# KiCad board bees.kicad_pcb
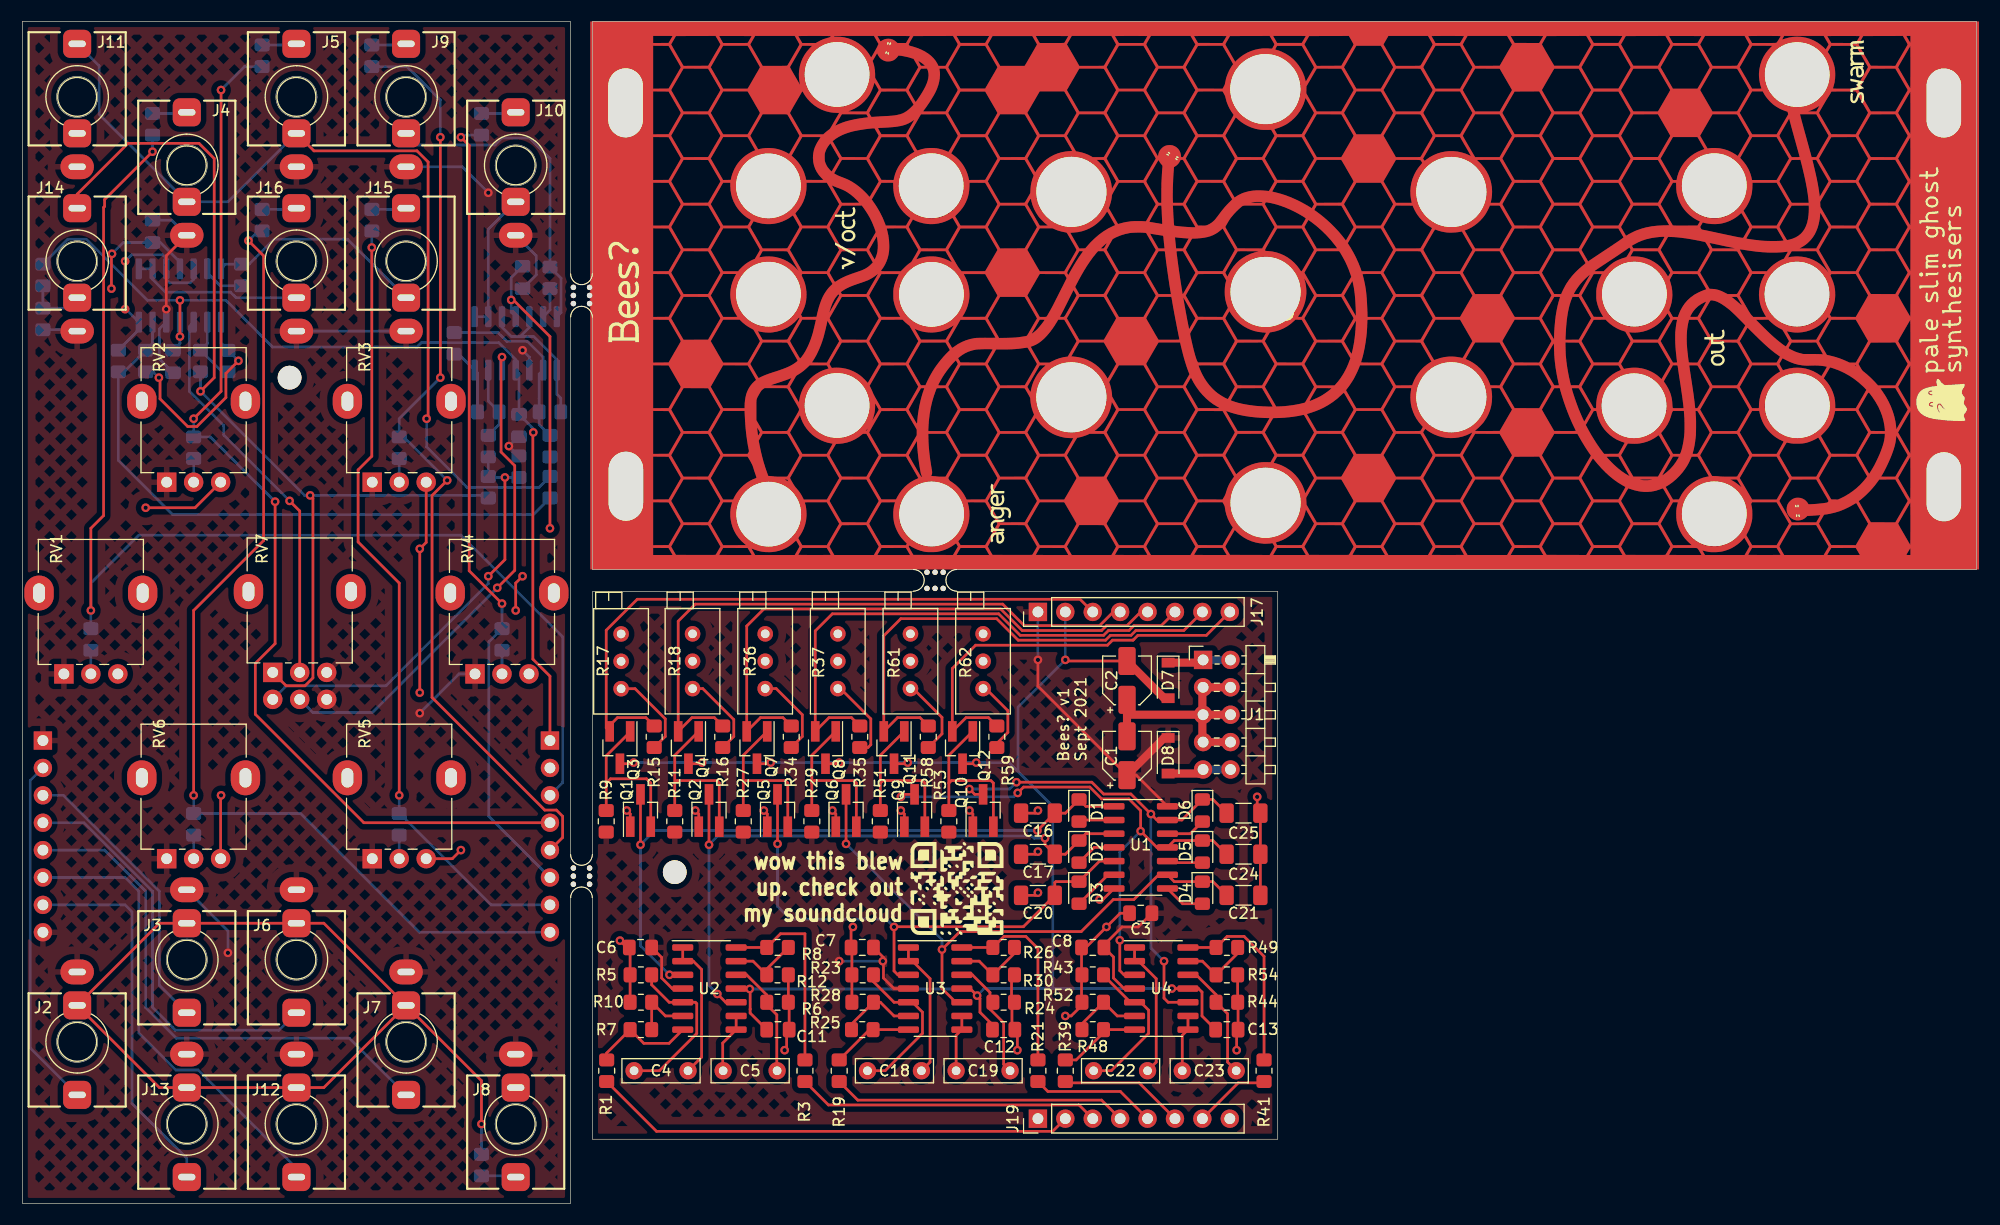
[diagram p0: board, top side]
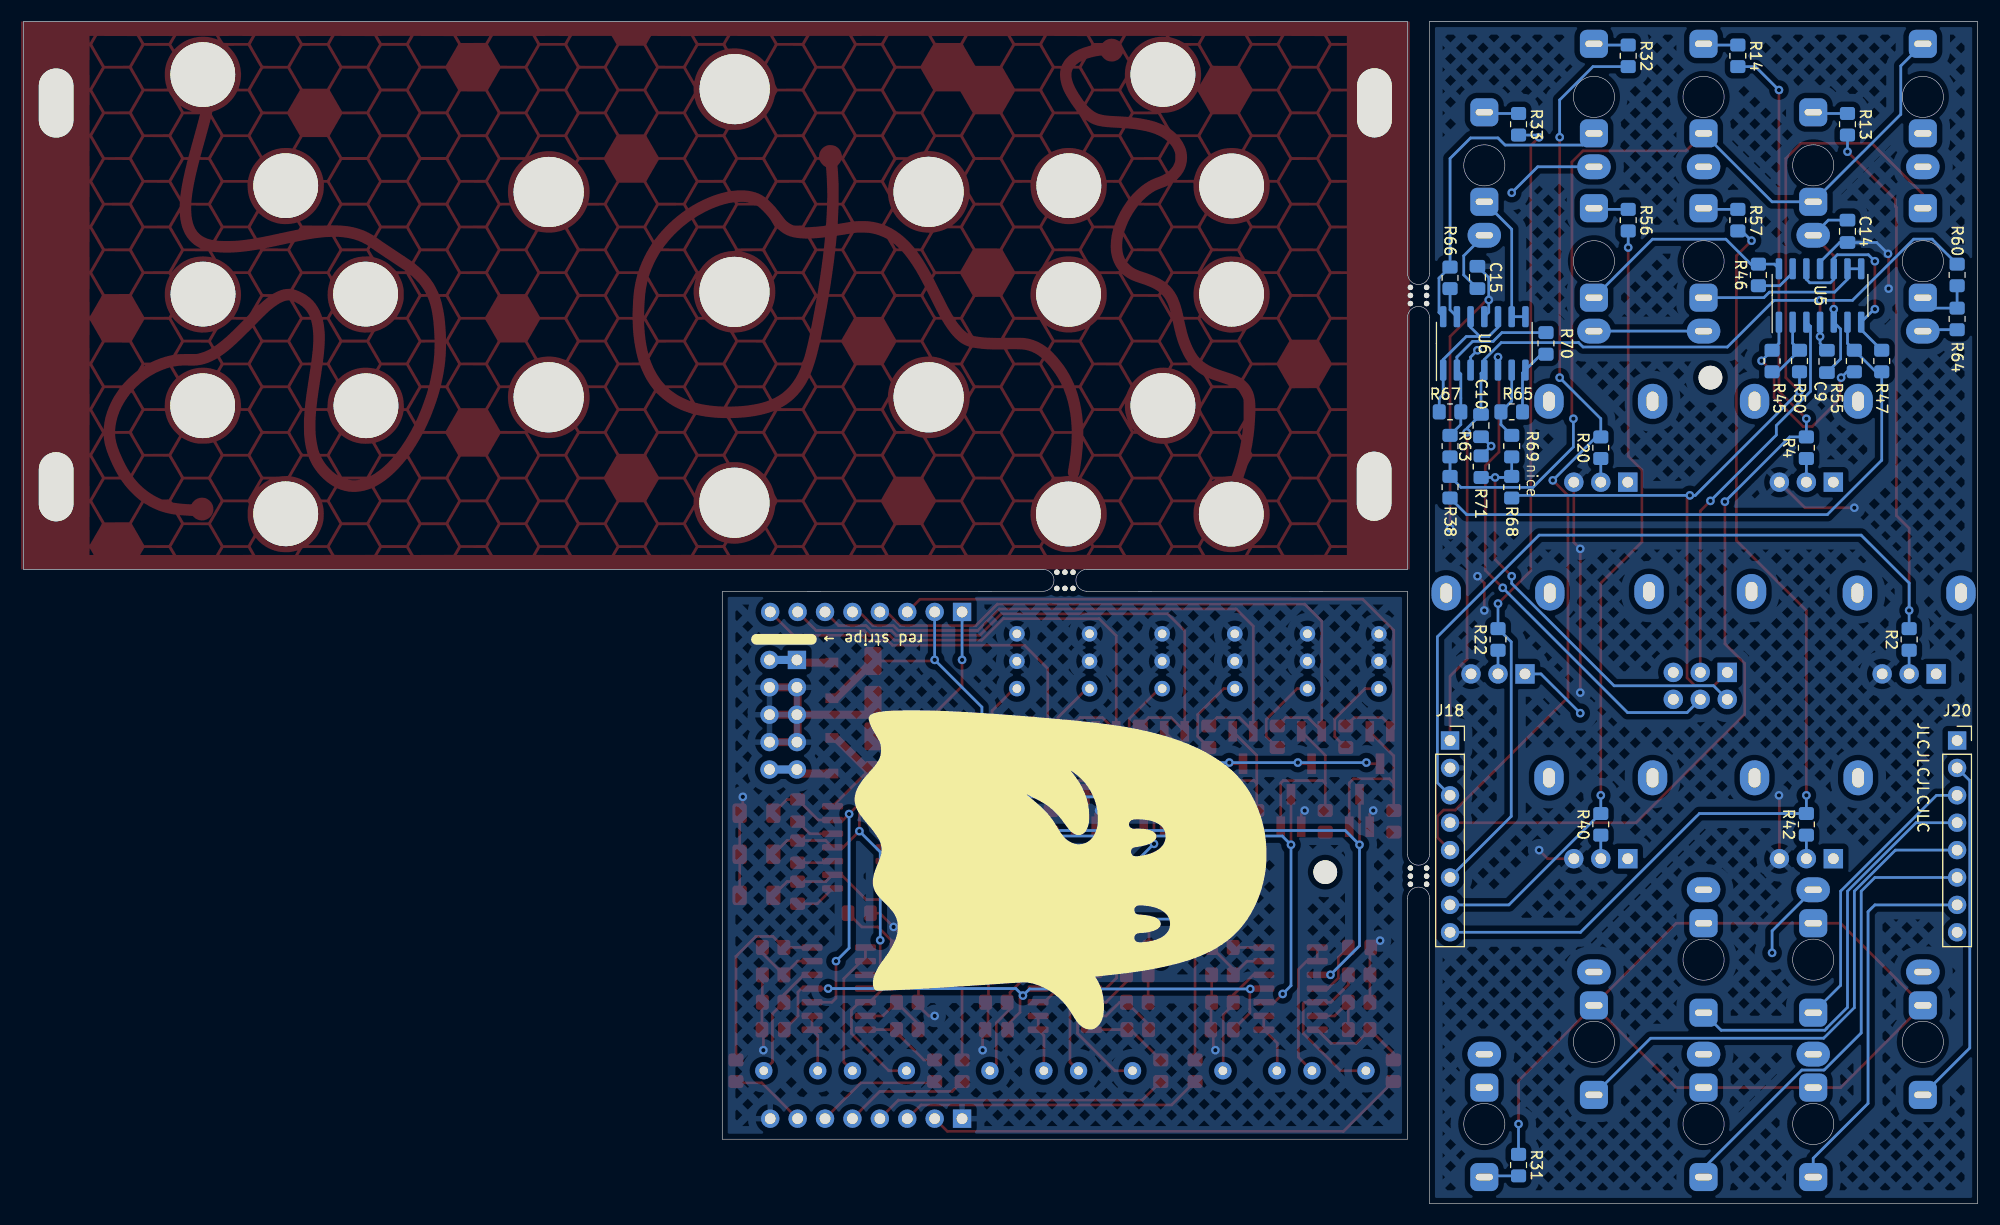
[diagram p1: board, bottom side, seen from below]

Outline 181.1 x 109.6 mm; copper layers: Top, Bottom. Coordinates in mm from the lower left corner of the outline.
Outline path: circle c5.08,102.61 r1.9 ; circle c5.08,87.37 r1.9 ; circle c5.08,14.98 r1.9 ; circle c15.24,96.26 r1.9 ; circle c15.24,22.6 r1.9 ; circle c15.24,7.36 r1.9 ; circle c25.4,102.61 r1.91 ; circle c25.4,87.37 r1.91 ; circle c25.4,22.6 r1.91 ; circle c25.4,7.36 r1.91 ; circle c35.56,102.61 r1.91 ; circle c35.56,87.37 r1.91 ; circle c35.56,14.98 r1.91 ; circle c45.72,96.26 r1.91 ; circle c45.72,7.36 r1.91 ; 0,109.6 0,0 50.8,0 50.8,28.32 arc(51.82,29.34) 52.83,28.32 52.84,5.96 116.34,5.96 116.34,56.76 86.61,56.77 arc(85.6,57.78) 86.61,58.8 181.1,58.8 181.1,109.6 52.83,109.6 52.83,86.23 arc(51.82,85.22) 50.8,86.23 50.8,109.6 0,109.6 ; 50.8,82.17 arc(51.82,83.18) 52.83,82.17 52.83,58.8 82.55,58.8 arc(83.57,57.78) 82.55,56.77 52.84,56.76 52.83,32.38 arc(51.82,31.37) 50.8,32.38 50.8,82.17
Stack: Top 0.035mm / dielectric 1.51mm FR4 er 4.5 / Bottom 0.035mm

## Placement (name value [footprint] x y rotation side)
C1  10u  [CP_Elec_4x5.8]  102.37 41.52 90 top
C2  10u  [CP_Elec_4x5.8]  102.37 48.5 90 top
C3  100n  [C_0805_2012Metric_Pad1.18x1.45mm_HandSolder]  103.64 26.91 0 top
C4  1u  [C_Rect_L7.0mm_W2.0mm_P5.00mm]  61.69 12.31 180 top
C5  1u  [C_Rect_L7.0mm_W2.0mm_P5.00mm]  64.94 12.31 0 top
C6  100n  [C_0805_2012Metric_Pad1.18x1.45mm_HandSolder]  57.28 23.74 0 top
C7  100n  [C_0805_2012Metric_Pad1.18x1.45mm_HandSolder]  77.84 23.74 0 top
C8  100n  [C_0805_2012Metric_Pad1.18x1.45mm_HandSolder]  99.19 23.74 0 top
C9  100n  [C_0805_2012Metric_Pad1.18x1.45mm_HandSolder]  13.97 78.08 90 bottom
C10  100n  [C_0805_2012Metric_Pad1.18x1.45mm_HandSolder]  46.03 72.13 90 bottom
C11  100n  [C_0805_2012Metric_Pad1.18x1.45mm_HandSolder]  70.02 16.12 0 top
C12  100n  [C_0805_2012Metric_Pad1.18x1.45mm_HandSolder]  90.94 16.12 0 top
C13  100n  [C_0805_2012Metric_Pad1.18x1.45mm_HandSolder]  111.62 16.12 0 top
C14  100n  [C_0805_2012Metric_Pad1.18x1.45mm_HandSolder]  12.07 90.15 90 bottom
C15  100n  [C_0805_2012Metric_Pad1.18x1.45mm_HandSolder]  46.36 85.87 270 bottom
C16  2.2n  [C_1206_3216Metric_Pad1.33x1.80mm_HandSolder]  94.11 36.19 0 top
C17  2.2n  [C_1206_3216Metric_Pad1.33x1.80mm_HandSolder]  94.11 32.38 0 top
C18  1u  [C_Rect_L7.0mm_W2.0mm_P5.00mm]  83.32 12.31 180 top
C19  1u  [C_Rect_L7.0mm_W2.0mm_P5.00mm]  86.53 12.31 0 top
C20  2.2n  [C_1206_3216Metric_Pad1.33x1.80mm_HandSolder]  94.11 28.57 0 top
C21  2.2n  [C_1206_3216Metric_Pad1.33x1.80mm_HandSolder]  113.16 28.57 180 top
C22  1u  [C_Rect_L7.0mm_W2.0mm_P5.00mm]  104.27 12.31 180 top
C23  1u  [C_Rect_L7.0mm_W2.0mm_P5.00mm]  107.49 12.31 0 top
C24  2.2n  [C_1206_3216Metric_Pad1.33x1.80mm_HandSolder]  113.16 32.38 180 top
C25  2.2n  [C_1206_3216Metric_Pad1.33x1.80mm_HandSolder]  113.16 36.19 180 top
D1  1N4148  [D_0805_2012Metric_Pad1.15x1.40mm_HandSolder]  97.92 36.44 270 top
D2  1N4148  [D_0805_2012Metric_Pad1.15x1.40mm_HandSolder]  97.92 32.63 270 top
D3  1N4148  [D_0805_2012Metric_Pad1.15x1.40mm_HandSolder]  97.92 28.82 270 top
D4  1N4148  [D_0805_2012Metric_Pad1.15x1.40mm_HandSolder]  109.35 28.82 270 top
D5  1N4148  [D_0805_2012Metric_Pad1.15x1.40mm_HandSolder]  109.35 32.63 270 top
D6  1N4148  [D_0805_2012Metric_Pad1.15x1.40mm_HandSolder]  109.35 36.44 270 top
D7  D_Schottky  [D_SOD-123]  106.18 48.5 270 top
D8  D_Schottky  [D_SOD-123]  106.18 41.52 270 top
G***  -  [LOGO]  86.61 29.21 0 top
G***#2  -  [LOGO]  116.97 84.2 90 top
G***#3  -  [LOGO]  116.97 84.2 90 top
G***#4  -  [LOGO]  116.97 84.2 90 top
G***#5  LOGO  [logo 30mm]  85.22 30.72 270 bottom
J1  Conn_02x05_Row_Letter_Last  [PinHeader_2x05_P2.54mm_Horizontal]  109.42 50.4 0 top
J2  Out1  [Jack_3.5mm_QingPu_WQP-PJ398SM_Vertical]  5.08 14.98 180 top
J3  Out2  [Jack_3.5mm_QingPu_WQP-PJ398SM_Vertical]  15.24 22.6 180 top
J4  CV1  [Jack_3.5mm_QingPu_WQP-PJ398SM_Vertical]  15.24 96.26 0 top
J5  CV2  [Jack_3.5mm_QingPu_WQP-PJ398SM_Vertical]  25.4 102.61 0 top
J6  Out3  [Jack_3.5mm_QingPu_WQP-PJ398SM_Vertical]  25.4 22.6 180 top
J7  Out4  [Jack_3.5mm_QingPu_WQP-PJ398SM_Vertical]  35.56 14.98 180 top
J8  Mix  [Jack_3.5mm_QingPu_WQP-PJ398SM_Vertical]  45.72 7.36 180 top
J9  CV3  [Jack_3.5mm_QingPu_WQP-PJ398SM_Vertical]  35.56 102.61 0 top
J10  CV4  [Jack_3.5mm_QingPu_WQP-PJ398SM_Vertical]  45.72 96.26 0 top
J11  CV  [Jack_3.5mm_QingPu_WQP-PJ398SM_Vertical]  5.08 102.61 0 top
J12  Out5  [Jack_3.5mm_QingPu_WQP-PJ398SM_Vertical]  25.4 7.36 180 top
J13  Out6  [Jack_3.5mm_QingPu_WQP-PJ398SM_Vertical]  15.24 7.36 180 top
J14  Detune  [Jack_3.5mm_QingPu_WQP-PJ398SM_Vertical]  5.08 87.37 0 top
J15  CV5  [Jack_3.5mm_QingPu_WQP-PJ398SM_Vertical]  35.56 87.37 0 top
J16  CV6  [Jack_3.5mm_QingPu_WQP-PJ398SM_Vertical]  25.4 87.37 0 top
J17  Conn_01x08_Male  [PinHeader_1x08_P2.54mm_Vertical]  94.11 54.85 90 top
J18  Conn_01x08_Female  [PinSocket_1x08_P2.54mm_Vertical]  48.89 42.92 180 bottom
J19  Conn_01x08_Male  [PinHeader_1x08_P2.54mm_Vertical]  94.11 7.86 90 top
J20  Conn_01x08_Female  [PinSocket_1x08_P2.54mm_Vertical]  1.91 42.92 180 bottom
mouse-bite-2mm-slot  VAL**  [mouse-bite-2mm-slot]  84.58 57.78 180 top
mouse-bite-2mm-slot#2  VAL**  [mouse-bite-2mm-slot]  51.82 84.2 90 top
mouse-bite-2mm-slot#3  VAL**  [mouse-bite-2mm-slot]  51.82 30.35 90 top
NOREF  -  [unnamed]  115.21 64.98 90 top
NOREF#2  -  [unnamed]  132.42 93.8 90 top
NOREF#3  -  [unnamed]  132.42 74.76 90 top
NOREF#4  -  [unnamed#2]  156.79 63.95 90 top
NOREF#5  -  [unnamed#2]  75.5 104.69 90 top
NOREF#6  -  [unnamed#2]  69.14 94.36 90 top
NOREF#7  -  [unnamed#2]  69.14 84.32 90 top
NOREF#8  -  [unnamed#3]  55.9 102.06 90 top
NOREF#9  -  [unnamed#2]  69.17 63.92 90 top
NOREF#10  -  [unnamed#2]  75.5 74 90 top
NOREF#11  -  [unnamed#3]  55.93 66.51 90 top
NOREF#12  -  [unnamed]  115.21 84.53 90 top
NOREF#13  -  [unnamed]  115.19 103.34 90 top
NOREF#14  -  [unnamed#2]  164.49 73.97 90 top
NOREF#15  -  [unnamed#2]  149.39 84.33 90 top
NOREF#16  -  [unnamed#2]  156.79 94.38 90 top
NOREF#17  -  [unnamed#2]  84.25 84.3 90 top
NOREF#18  -  [unnamed#3]  178.07 66.46 90 top
NOREF#19  -  [unnamed#2]  164.48 104.68 90 top
NOREF#20  -  [unnamed#2]  149.36 73.97 90 top
NOREF#21  -  [unnamed#2]  84.26 63.93 90 top
NOREF#22  -  [unnamed#2]  84.22 94.38 90 top
NOREF#23  -  [unnamed#2]  164.46 84.33 90 top
NOREF#24  -  [unnamed]  97.22 93.81 90 top
NOREF#25  -  [unnamed]  97.21 74.76 90 top
NOREF#26  -  [unnamed#3]  178.07 102.05 90 top
Q1  2N3904  [SOT-23_Handsoldering]  57.28 36.44 90 top
Q2  2N3904  [SOT-23_Handsoldering]  63.63 36.44 90 top
Q3  2N3906  [SOT-23_Handsoldering]  55.38 42.28 270 top
Q4  2N3906  [SOT-23_Handsoldering]  61.73 42.28 270 top
Q5  2N3904  [SOT-23_Handsoldering]  69.98 36.44 90 top
Q6  2N3904  [SOT-23_Handsoldering]  76.33 36.44 90 top
Q7  2N3906  [SOT-23_Handsoldering]  68.08 42.28 270 top
Q8  2N3906  [SOT-23_Handsoldering]  74.43 42.28 270 top
Q9  2N3904  [SOT-23_Handsoldering]  82.68 36.44 90 top
Q10  2N3904  [SOT-23_Handsoldering]  89.03 36.44 90 top
Q11  2N3906  [SOT-23_Handsoldering]  80.78 42.28 270 top
Q12  2N3906  [SOT-23_Handsoldering]  87.13 42.28 270 top
R1  1k  [R_0805_2012Metric_Pad1.20x1.40mm_HandSolder]  54.15 12.31 270 top
R2  100K  [R_0805_2012Metric_Pad1.20x1.40mm_HandSolder]  6.35 52.3 90 bottom
R3  1k  [R_0805_2012Metric_Pad1.20x1.40mm_HandSolder]  72.52 12.31 270 top
R4  100K  [R_0805_2012Metric_Pad1.20x1.40mm_HandSolder]  15.88 70.08 90 bottom
R5  100k  [R_0805_2012Metric_Pad1.20x1.40mm_HandSolder]  57.32 21.2 180 top
R6  100k  [R_0805_2012Metric_Pad1.20x1.40mm_HandSolder]  69.98 18.66 0 top
R7  100k  [R_0805_2012Metric_Pad1.20x1.40mm_HandSolder]  57.32 16.12 180 top
R8  100k  [R_0805_2012Metric_Pad1.20x1.40mm_HandSolder]  69.98 23.74 180 top
R9  1M  [R_0805_2012Metric_Pad1.20x1.40mm_HandSolder]  54.11 35.44 90 top
R10  33k  [R_0805_2012Metric_Pad1.20x1.40mm_HandSolder]  57.32 18.66 180 top
R11  1M  [R_0805_2012Metric_Pad1.20x1.40mm_HandSolder]  60.46 35.44 90 top
R12  33k  [R_0805_2012Metric_Pad1.20x1.40mm_HandSolder]  69.98 21.2 0 top
R13  100K  [R_0805_2012Metric_Pad1.20x1.40mm_HandSolder]  12.07 100.07 270 bottom
R14  100K  [R_0805_2012Metric_Pad1.20x1.40mm_HandSolder]  22.22 106.42 270 bottom
R15  2k  [R_0805_2012Metric_Pad1.20x1.40mm_HandSolder]  58.55 43.28 270 top
R16  2k  [R_0805_2012Metric_Pad1.20x1.40mm_HandSolder]  64.9 43.28 270 top
R17  1K  [Potentiometer_Bourns_3296X_Horizontal]  55.49 47.73 270 top
R18  1K  [Potentiometer_Bourns_3296X_Horizontal]  62.11 47.74 270 top
R19  1k  [R_0805_2012Metric_Pad1.20x1.40mm_HandSolder]  75.7 12.31 270 top
R20  100K  [R_0805_2012Metric_Pad1.20x1.40mm_HandSolder]  34.92 70.08 90 bottom
R21  1k  [R_0805_2012Metric_Pad1.20x1.40mm_HandSolder]  94.11 12.31 270 top
R22  100K  [R_0805_2012Metric_Pad1.20x1.40mm_HandSolder]  44.45 52.3 90 bottom
R23  100k  [R_0805_2012Metric_Pad1.20x1.40mm_HandSolder]  77.87 21.2 180 top
R24  100k  [R_0805_2012Metric_Pad1.20x1.40mm_HandSolder]  90.94 18.66 0 top
R25  100k  [R_0805_2012Metric_Pad1.20x1.40mm_HandSolder]  77.84 16.12 0 top
R26  100k  [R_0805_2012Metric_Pad1.20x1.40mm_HandSolder]  90.94 23.74 180 top
R27  1M  [R_0805_2012Metric_Pad1.20x1.40mm_HandSolder]  66.81 35.44 90 top
R28  33k  [R_0805_2012Metric_Pad1.20x1.40mm_HandSolder]  77.87 18.66 180 top
R29  1M  [R_0805_2012Metric_Pad1.20x1.40mm_HandSolder]  73.16 35.44 90 top
R30  33k  [R_0805_2012Metric_Pad1.20x1.40mm_HandSolder]  90.94 21.2 0 top
R31  1k  [R_0805_2012Metric_Pad1.20x1.40mm_HandSolder]  42.55 3.55 270 bottom
R32  100K  [R_0805_2012Metric_Pad1.20x1.40mm_HandSolder]  32.39 106.42 270 bottom
R33  100K  [R_0805_2012Metric_Pad1.20x1.40mm_HandSolder]  42.55 100.07 270 bottom
R34  2k  [R_0805_2012Metric_Pad1.20x1.40mm_HandSolder]  71.25 43.28 270 top
R35  2k  [R_0805_2012Metric_Pad1.20x1.40mm_HandSolder]  77.6 43.28 270 top
R36  1K  [Potentiometer_Bourns_3296X_Horizontal]  68.84 47.74 270 top
R37  1K  [Potentiometer_Bourns_3296X_Horizontal]  75.57 47.74 270 top
R38  10k  [R_0805_2012Metric_Pad1.20x1.40mm_HandSolder]  48.89 66.42 270 bottom
R39  1k  [R_0805_2012Metric_Pad1.20x1.40mm_HandSolder]  96.65 12.31 270 top
R40  100K  [R_0805_2012Metric_Pad1.20x1.40mm_HandSolder]  34.92 35.15 90 bottom
R41  1k  [R_0805_2012Metric_Pad1.20x1.40mm_HandSolder]  115.07 12.31 270 top
R42  100K  [R_0805_2012Metric_Pad1.20x1.40mm_HandSolder]  15.88 35.15 90 bottom
R43  100k  [R_0805_2012Metric_Pad1.20x1.40mm_HandSolder]  99.19 21.2 180 top
R44  100k  [R_0805_2012Metric_Pad1.20x1.40mm_HandSolder]  111.62 18.66 0 top
R45  100K  [R_0805_2012Metric_Pad1.20x1.40mm_HandSolder]  19.05 78.12 90 bottom
R46  10k  [R_0805_2012Metric_Pad1.20x1.40mm_HandSolder]  20.32 86.1 90 bottom
R47  10k  [R_0805_2012Metric_Pad1.20x1.40mm_HandSolder]  8.89 78.12 90 bottom
R48  100k  [R_0805_2012Metric_Pad1.20x1.40mm_HandSolder]  99.19 16.12 0 top
R49  100k  [R_0805_2012Metric_Pad1.20x1.40mm_HandSolder]  111.62 23.74 180 top
R50  100K  [R_0805_2012Metric_Pad1.20x1.40mm_HandSolder]  16.51 78.12 90 bottom
R51  1M  [R_0805_2012Metric_Pad1.20x1.40mm_HandSolder]  79.51 35.44 90 top
R52  33k  [R_0805_2012Metric_Pad1.20x1.40mm_HandSolder]  99.19 18.66 180 top
R53  1M  [R_0805_2012Metric_Pad1.20x1.40mm_HandSolder]  85.86 35.44 90 top
R54  33k  [R_0805_2012Metric_Pad1.20x1.40mm_HandSolder]  111.62 21.2 0 top
R55  10k  [R_0805_2012Metric_Pad1.20x1.40mm_HandSolder]  11.43 78.12 90 bottom
R56  100K  [R_0805_2012Metric_Pad1.20x1.40mm_HandSolder]  32.39 91.18 270 bottom
R57  100K  [R_0805_2012Metric_Pad1.20x1.40mm_HandSolder]  22.22 91.18 270 bottom
R58  2k  [R_0805_2012Metric_Pad1.20x1.40mm_HandSolder]  83.95 43.28 270 top
R59  2k  [R_0805_2012Metric_Pad1.20x1.40mm_HandSolder]  90.3 43.28 270 top
R60  100K  [R_0805_2012Metric_Pad1.20x1.40mm_HandSolder]  1.91 86.1 90 bottom
R61  1K  [Potentiometer_Bourns_3296X_Horizontal]  82.3 47.74 270 top
R62  1K  [Potentiometer_Bourns_3296X_Horizontal]  89.03 47.74 270 top
R63  10k  [R_0805_2012Metric_Pad1.20x1.40mm_HandSolder]  48.89 70.23 90 bottom
R64  20k  [R_0805_2012Metric_Pad1.20x1.40mm_HandSolder]  1.91 82.02 90 bottom
R65  100K  [R_0805_2012Metric_Pad1.20x1.40mm_HandSolder]  43.18 73.4 180 bottom
R66  10k  [R_0805_2012Metric_Pad1.20x1.40mm_HandSolder]  48.89 85.83 90 bottom
R67  10k  [R_0805_2012Metric_Pad1.20x1.40mm_HandSolder]  48.89 73.4 0 bottom
R68  100K  [R_0805_2012Metric_Pad1.20x1.40mm_HandSolder]  43.18 66.42 270 bottom
R69  100K  [R_0805_2012Metric_Pad1.20x1.40mm_HandSolder]  43.18 70.23 90 bottom
R70  10k  [R_0805_2012Metric_Pad1.20x1.40mm_HandSolder]  40 79.75 90 bottom
R71  100K  [R_0805_2012Metric_Pad1.20x1.40mm_HandSolder]  46.01 68.32 270 bottom
REF**  -  [MountingHole_2.2mm_M2]  60.46 30.72 90 top
RV1  100k  [Potentiometer_Alpha_RD901F-40-00D_Single_Vertical]  3.85 49.1 90 top
RV2  100k  [Potentiometer_Alpha_RD901F-40-00D_Single_Vertical]  13.38 66.88 90 top
RV3  100k  [Potentiometer_Alpha_RD901F-40-00D_Single_Vertical]  32.42 66.88 90 top
RV4  100k  [Potentiometer_Alpha_RD901F-40-00D_Single_Vertical]  41.95 49.1 90 top
RV5  100k  [Potentiometer_Alpha_RD901F-40-00D_Single_Vertical]  32.42 31.97 90 top
RV6  100k  [Potentiometer_Alpha_RD901F-40-00D_Single_Vertical]  13.38 31.97 90 top
RV7  100k  [Potentiometer_Alpha_RD902F-40-00D_Dual_Vertical]  23.21 49.24 90 top
this is my hole  -  [MountingHole_2.2mm_M2]  24.77 76.58 0 top
U1  40106  [SOIC-14_3.9x8.7mm_P1.27mm]  103.64 33.02 0 top
U2  TL074  [SOIC-14_3.9x8.7mm_P1.27mm]  63.67 19.93 0 top
U3  TL074  [SOIC-14_3.9x8.7mm_P1.27mm]  84.59 19.93 0 top
U4  TL074  [SOIC-14_3.9x8.7mm_P1.27mm]  105.54 19.93 0 top
U5  TL074  [SOIC-14_3.9x8.7mm_P1.27mm]  14.61 84.2 90 bottom
U6  TL074  [SOIC-14_3.9x8.7mm_P1.27mm]  45.72 79.75 90 bottom
